# Altium PCB PCB.PcbDoc (part 3 of 3)
Units mm, origin at the board's own origin, x right, y up, seen from the top; angles counter-clockwise.
Board outline 100 x 100 mm, 4 copper layers (Top Layer, GND, Power, Bottom Layer), stack 1.49 mm thick; 258 components, 107 nets, 636 pads, 1174 vias.
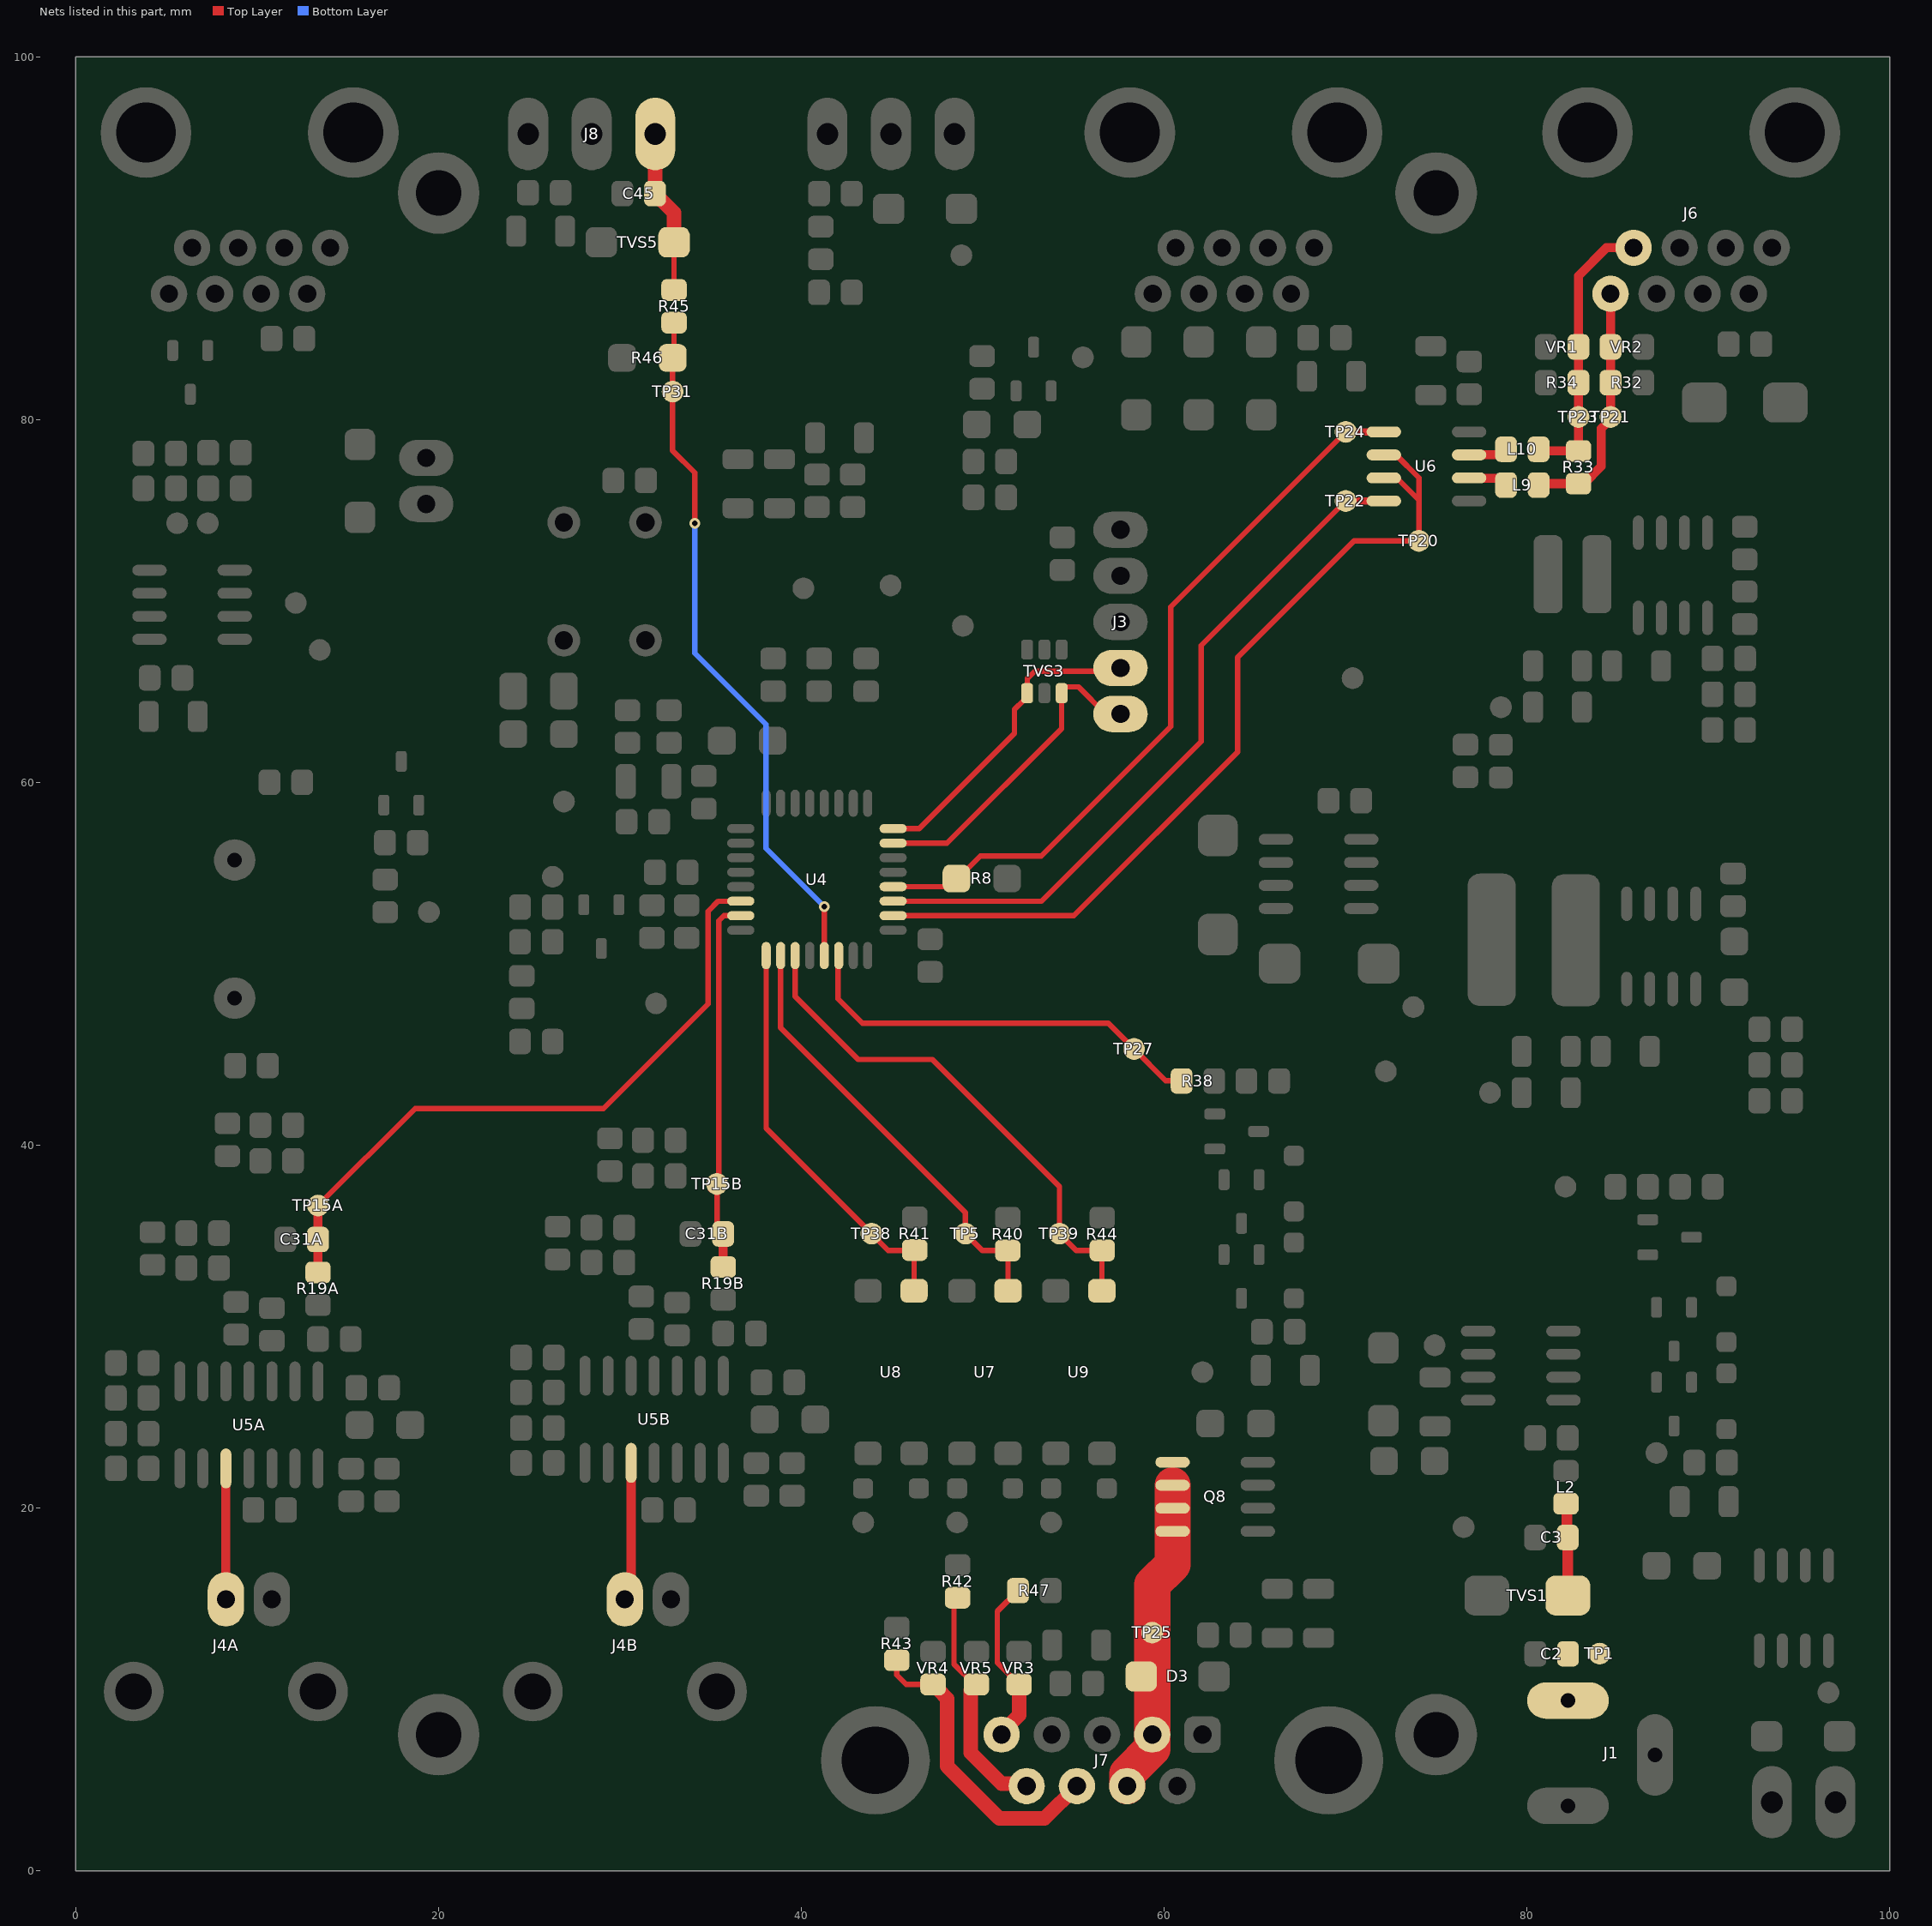
[diagram p5: the nets of this part, all layers, seen from the top]

## Via types
v1: diameter 0.6, hole 0.3, Top Layer to Bottom Layer, tented both sides, 1174 vias

## Nets (pads, with @x,y where several pads share a name; then routed paths per layer and width w, separated by ;. In a path a pad name is that pad's centre, name@x,y a point inside that pad or via, vN(x,y) a via of type N, cw(c..) or ccw(c..) an arc to the next point about the centre after c; other vN are vias at no path point) (continued)
PH_INA: J4A.1 U5A.3 | length 7.2
  Top Layer w0.5: J4A.1@8.267,14.959 8.273,14.965 U5A.3@8.273,22.18
PH_INB: J4B.1 U5B.3 | length 7.2
  Top Layer w0.5: J4B.1@30.608,15.263 30.614,15.269 U5B.3@30.614,22.485
PH_OUT1: C31A.2 R19A.2 TP15A.1 U4.6 | length 36.9
  Top Layer w0.3: TP15A.1@13.353,36.671 18.707,42.024 29.092,42.024 34.861,47.793 34.861,52.904 35.412,53.455 U4.6@36.661,53.455
  Top Layer w0.5: R19A.2@13.353,32.981 13.353,34.801 C31A.2@13.35,34.804 13.35,36.667 TP15A.1@13.353,36.671
PH_OUT2: C31B.2 R19B.2 TP15B.1 U4.7 | length 20.9
  Top Layer w0.3: TP15B.1@35,37.554 TP15B.1@35,37.865 ; C31B.2@35.691,35.109 35.347,35.452 TP15B.1@35.347,37.865 35.447,37.964 35.447,52.372 35.73,52.655 U4.7@36.661,52.655
  Top Layer w0.5: C31B.2@35.691,35.109 35.694,35.105 R19B.2@35.694,33.286
PUMP: R38.1 TP27.1 U4.14 | length 23.5
  Top Layer w0.3: U4.14@42.061,50.455 42.024,50.417 42.024,48.075 43.37,46.729 56.926,46.729 TP27.1@58.344,45.311 ; TP27.1@58.344,45.555 TP27.1@58.344,45.311 ; R38.1@60.965,43.544 60.944,43.564 60.091,43.564 TP27.1@58.344,45.311
PUMP_OUT: D3.1 J7.2 J7.7 Q8.5 Q8.6 Q8.7 Q8.8 TP25.1 | length 17.6
  Top Layer w2: J7.7@57.962,4.668 57.962,5.342 59.347,6.727 J7.2@59.347,7.508 59.348,7.509 59.348,10.712 TP25.1@59.348,13.125 59.348,15.765 60.468,16.885 Q8.8@60.468,18.714 Q8.7@60.468,19.984 Q8.6@60.468,21.254
RS485_D_N: L10.1 U6.7 | length 2.2
  Top Layer w0.5: U6.7@76.816,78.061 76.835,78.081 78.564,78.081 L10.1@78.852,78.368
RS485_D_P: L9.1 U6.6 | length 2.2
  Top Layer w0.5: U6.6@76.816,76.791 76.835,76.772 78.506,76.772 78.852,76.426 L9.1@78.852,76.397
RS485_DIR: TP20.1 U4.18 U6.2 U6.3 | length 49
  Top Layer w0.3: U4.18@45.061,52.655 55.026,52.655 64.052,61.681 64.052,66.905 70.47,73.323 TP20.1@74.051,73.323 74.051,75.559 ; U6.3@72.116,76.791 72.819,76.791 74.051,75.559 ; U6.2@72.116,78.061 72.79,78.061 74.051,76.801 74.051,75.559
RS485_N: J6.7 L10.2 R33.1 R34.2 TP23.1 VR1.1 | length 15.7
  Top Layer w0.5: L10.2@80.652,78.368 80.652,78.296 80.672,78.276 R33.1@82.844,78.276 82.917,78.276 82.848,78.346 TP23.1@82.848,80.156 82.848,80.291 82.844,80.294 R34.2@82.844,82.045 82.844,82.172 82.848,82.175 VR1.1@82.848,84.016 82.848,87.936 84.393,89.481 J6.7@85.886,89.481
RS485_P: J6.8 L9.2 R32.1 R33.2 TP21.1 VR2.1 | length 13.6
  Top Layer w0.5: L9.2@80.652,76.397 80.652,76.47 80.658,76.476 R33.2@82.844,76.476 83.156,76.476 84.107,77.427 84.107,79.513 84.616,80.022 TP21.1@84.616,80.156 R32.1@84.616,82.045 VR2.1@84.616,84.016 J6.8@84.616,86.941
RS485_RX: R8.1 TP24.1 U4.20 U6.1 | length 41.3
  Top Layer w0.3: U4.20@45.061,54.255 48.176,54.255 48.55,54.629 49.87,55.949 53.232,55.949 60.361,63.078 60.361,69.679 TP24.1@70.013,79.331
  Top Layer w0.4: TP24.1@70.013,79.331 U6.1@72.116,79.331
RS485_TX: TP22.1 U4.19 U6.4 | length 39.3
  Top Layer w0.3: U4.19@45.061,53.455 53.242,53.455 62.037,62.25 62.037,67.546 TP22.1@70.013,75.521
  Top Layer w0.4: TP22.1@70.013,75.521 U6.4@72.116,75.521
SOIL_MOIST: R45.1 R46.2 TP31.1 U4.13 | length 38.4
  Top Layer w0.3: R45.1@32.981,85.358 32.981,83.488 R46.2@32.904,83.412 TP31.1@32.904,81.553 32.904,78.3 34.122,77.082 v1(34.122,74.288) ; U4.13@41.261,50.455 v1(41.261,53.154)
  Bottom Layer w0.3: v1(34.122,74.288) 34.122,67.126 38.045,63.204 38.045,56.371 v1(41.261,53.154)
SOIL_MOIST_IN: C45.2 J8.3 R45.2 TVS5.2 | length 9.1
  Top Layer w0.3: R45.2@32.981,87.158 TVS5.2@32.981,89.783
  Top Layer w0.8: J8.3@31.941,95.756 31.941,92.481 C45.2@31.93,92.47 31.93,92.37 32.13,92.17 32.23,92.17 32.981,91.42 TVS5.2@32.981,89.783
SWCLK: J3.4 TVS3.1 U4.24 | length 17.6
  Top Layer w0.3: U4.24@45.061,57.455 46.499,57.455 51.75,62.706 51.75,64.029 52.254,64.534 52.277,64.534 52.451,64.708 TVS3.1@52.451,64.926 52.461,64.936 52.461,65.731 52.868,66.138 57.42,66.138 J3.4@57.597,66.314
SWDIO: J3.5 TVS3.3 U4.23 | length 18
  Top Layer w0.3: U4.23@45.061,56.655 48.033,56.655 54.351,62.973 TVS3.3@54.351,64.926 54.351,65.1 54.525,65.274 55.281,65.274 56.78,63.774 J3.5@57.597,63.774
VIN+: C2.2 C3.2 J1.1 L2.1 TP1.1 TVS1.2 | length 5.1
  Top Layer w0.6: L2.1@82.158,20.241 82.207,20.192 82.207,18.42 C3.2@82.256,18.371 82.263,18.364 TVS1.2@82.263,15.17
W_HL_IN: J7.9 R42.1 VR5.1 | length 13.1
  Top Layer w0.3: R42.1@48.415,15.051 48.415,11.389 49.532,10.272 49.551,10.272 VR5.1@49.651,10.272
  Top Layer w0.8: VR5.1@49.551,10.272 49.351,10.072 49.351,9.972 49.337,9.957 49.337,6.496 51.038,4.795 52.295,4.795 J7.9@52.422,4.668
W_LL_IN: J7.8 R43.1 VR4.1 | length 17
  Top Layer w0.3: R43.1@45.263,11.608 45.263,10.788 45.779,10.272 VR4.1@47.259,10.272
  Top Layer w0.8: VR4.1@47.259,10.272 47.359,10.272 47.559,10.072 47.559,9.972 48.042,9.489 48.042,5.759 50.912,2.889 53.413,2.889 J7.8@55.192,4.668
WATER_FLOW: R44.1 TP39.1 U4.11 U9.3 | length 28.7
  Top Layer w0.3: U4.11@39.661,50.455 39.661,48.206 43.138,44.729 47.219,44.729 54.229,37.719 TP39.1@54.229,35.128 55.154,34.203 R44.1@56.591,34.203 56.574,34.186 U9.3@56.574,31.978
WATER_LEVEL_H: R40.1 TP5.1 U4.10 U7.3 | length 24.5
  Top Layer w0.3: U4.10@38.861,50.455 38.861,46.476 49.049,36.289 TP5.1@49.049,35.128 49.974,34.203 51.411,34.203 R40.1@51.394,34.186 ; R40.1@51.379,34.201 R40.1@51.394,34.186 ; U7.3@51.394,31.978 R40.1@51.394,34.186
WATER_LEVEL_L: R41.1 TP38.1 U4.9 U8.3 | length 22.8
  Top Layer w0.3: U4.9@38.061,50.455 38.061,40.936 TP38.1@43.869,35.128 44.794,34.203 46.231,34.203 46.214,34.186 R41.1@46.214,34.182 ; U8.3@46.214,31.978 R41.1@46.214,34.182 ; R41.1@46.253,34.221 R41.1@46.214,34.182
WF_IN: J7.5 R47.1 VR3.1 | length 9.3
  Top Layer w0.3: R47.1@51.942,15.444 50.801,14.303 50.801,11.474 51.454,10.822 51.454,10.803 51.985,10.272 VR3.1@52.004,10.272
  Top Layer w0.8: J7.5@51.037,7.508 51.037,7.609 52.004,8.576 VR3.1@52.004,10.272
pads on no net: J1.3 J4A.3 J4A.4 J4B.3 J4B.4 J6.MH2 J6.MH3 J7.10 J9.MH2 J9.MH3 J10.MH2 J10.MH3 TVS3.5 TVS3.6 U2.1 U2.6 U2.7 U4.21 U4.22

## Polygon pours and split planes (outlines as drawn)
GND on Bottom Layer "BOTTOM_GND" (solid, remove dead copper, pour order 27): 0,100 100,100 100,0 0,0
GND on Top Layer "TOP_GND" (solid, remove dead copper, pour order 25): 0,100 100,100 100,0 0,0
GND on GND (split plane): 99.49,0.51 0.51,0.51 0.51,99.49 99.49,99.49
GND on Power (split plane): 70.242,58.693 70.247,58.653 70.256,58.632 70.263,58.617 70.287,58.586 73.24,55.633 73.24,44.119 71.368,42.247 64.096,42.247 62.987,43.356 62.956,43.38 62.941,43.387 62.919,43.396 62.88,43.401 59.572,43.401 59.572,44.265 59.572,47.645 67.099,55.172 67.123,55.204 67.138,55.24 67.144,55.279 67.144,59.851 69.233,61.94 70.242,61.94
+3V3_MCU on Power (split plane): 54.113,73.286 54.113,68.808 54.113,59.728 54.113,58.051 54.113,57.045 53.724,56.656 53.7,56.624 53.685,56.588 53.68,56.549 53.68,54.63 50.019,50.97 45.97,50.97 39.378,57.562 39.347,57.586 39.332,57.592 39.31,57.601 39.271,57.606 36.222,57.606 35.715,58.114 35.683,58.138 35.668,58.144 35.647,58.153 35.608,58.158 26.336,58.158 22.082,62.413 22.082,65.539 24.229,67.686 29.351,67.686 29.39,67.691 29.411,67.7 29.426,67.706 29.458,67.731 31.14,69.413 31.865,69.413 31.904,69.418 31.925,69.427 31.94,69.433 31.972,69.457 35.159,72.645 35.183,72.676 35.187,72.687 35.198,72.713 35.203,72.752 35.203,73.26 35.244,73.272 35.331,73.318 35.407,73.381 35.47,73.457 35.516,73.544 35.545,73.638 35.554,73.736 35.545,73.834 35.516,73.928 35.496,73.966 36.124,74.594 52.805,74.594
+12V on Power (split plane): 98.284,85.832 98.284,25.498 93.06,20.275 93.036,20.243 93.021,20.207 93.016,20.168 93.016,17.565 92.425,16.975 92.401,16.943 92.395,16.928 92.386,16.907 92.381,16.868 92.381,11.589 92.386,11.55 92.395,11.528 92.401,11.513 92.425,11.482 93.016,10.891 93.016,7.742 92.15,6.875 90.065,6.875 83.505,13.435 83.474,13.459 83.459,13.465 83.438,13.474 83.398,13.479 70.456,13.479 69.442,14.493 69.442,29.909 73.314,33.781 80.99,33.781 81.029,33.786 81.051,33.795 81.066,33.801 81.097,33.825 86.757,39.485 86.781,39.516 86.796,39.553 86.801,39.592 86.801,43.822 87.018,44.038 88.136,44.038 88.565,43.609 88.596,43.585 88.633,43.57 88.672,43.565 88.9,43.565 88.913,43.524 88.959,43.437 89.022,43.361 89.098,43.298 89.185,43.252 89.279,43.223 89.377,43.214 91.26,43.214 91.278,43.18 91.34,43.104 91.416,43.042 91.503,42.995 91.597,42.967 91.695,42.957 91.793,42.967 91.888,42.995 91.975,43.042 92.051,43.104 92.113,43.18 92.16,43.267 92.188,43.361 92.198,43.459 92.198,45.465 92.188,45.563 92.16,45.657 92.113,45.744 92.051,45.82 92.036,45.832 92.024,45.847 91.948,45.909 91.861,45.956 91.767,45.984 91.669,45.994 90.728,45.994 90.728,49.077 90.723,49.116 90.708,49.153 90.684,49.184 87.537,52.331 87.537,59.29 87.532,59.329 87.523,59.351 87.517,59.366 87.493,59.397 85.927,60.963 85.927,73.79 85.922,73.83 85.907,73.866 85.883,73.897 85.302,74.478 85.302,81.16 85.899,81.757 86.945,81.757 86.984,81.762 87.02,81.777 87.052,81.801 88.121,82.871 88.159,82.851 88.253,82.822 88.351,82.812 89.545,82.812 89.643,82.822 89.737,82.851 89.824,82.897 89.9,82.96 89.963,83.036 90.009,83.123 90.038,83.217 90.048,83.315 90.048,84.515 90.038,84.613 90.009,84.707 89.963,84.794 89.9,84.87 89.847,84.914 89.847,86.941 89.847,89.718 90.675,90.545 93.57,90.545
+5V_PHB on Power (split plane): 42.658,30.066 42.658,23.348 36.633,17.323 31.739,17.323 31.226,17.836 31.226,29.03 32.782,30.585 32.806,30.617 32.821,30.653 32.826,30.692 32.826,32.174 34.258,32.174 34.317,32.179 34.374,32.196 34.426,32.224 34.472,32.262 34.509,32.308 34.537,32.36 34.554,32.416 34.56,32.475 34.554,32.534 34.537,32.59 34.509,32.642 34.472,32.688 34.426,32.726 34.374,32.754 34.317,32.771 34.258,32.776 32.826,32.776 32.826,33.747 32.826,36.013 32.821,36.052 32.806,36.088 32.782,36.12 31.796,37.105 31.796,37.203 32.161,37.568 35.156,37.568
+3V3 on Power (split plane): 312 vertices, not listed, extent 2.016,41.096 77.507,85.98
+5V_PHA on Power (split plane): 20.306,30.639 20.306,24.352 13.395,17.442 9.801,17.442 9.178,18.064 9.178,28.226 11.293,30.341 11.317,30.372 11.323,30.387 11.332,30.409 11.337,30.448 11.337,33.439 11.657,33.759 11.681,33.79 11.696,33.827 11.701,33.866 11.701,35.993 11.696,36.032 11.681,36.069 11.657,36.1 10.671,37.086 10.671,37.99 11.098,38.416 12.529,38.416
GND on Power (split plane): 99.49,0.51 0.51,0.51 0.51,99.49 99.49,99.49
+5V on Power (split plane): 252 vertices, not listed, extent 6.537,13.479 80.545,90.037

## Keep-outs
Keep-Out Layer:
  the board outline again, w0.2

## Other copper
Top Layer:
  region net +12V: 64.504,28.152 63.278,28.152 63.278,26.933 64.504,26.933
  region net GND: 66.013,36.305 63.964,36.305 63.964,35.086 66.013,35.086
  region net GND: 89.857,29.267 87.808,29.267 87.808,28.047 89.857,28.047
  region net +12V: 89.037,19.266 87.812,19.266 87.812,18.046 89.037,18.046
  rectangle net GND: 63.027,18.149 66.052,21.628
  rectangle net GND: 84.811,65.024 85.645,67.405
  rectangle net GND: 82.041,62.572 82.804,67.546
  rectangle net GND: 85.227,67.849 86.545,70.612
  rectangle net GND: 88.198,67.878 89.35,70.841
  rectangle net GND: 70.309,41.935 74.473,45.949
  rectangle net GND: 74.534,17.196 78.207,20.924
  rectangle net GND: 32.254,46.918 32.821,47.422
  rectangle net GND: 31.581,47.193 33.625,48.627
  rectangle net GND: 30.124,46.203 32.557,49.478
  rectangle net GND: 68.383,63.906 72.222,67.64
  region net +12V: 73.619,16.739 69.835,16.739 69.835,14.22 73.619,14.22
  rectangle net GND: 76.464,22.346 79.157,24.45
  region net GND: 69.586,51.658 69.586,57.627 67.477,57.627 67.477,51.658
  region net -5V: 72.439,47.053 72.439,48.279 71.22,48.279 71.22,47.053
  rectangle net GND: 76.591,10.687 79.385,12.769
  region net +12V: 75.092,29.992 75.092,32.429 71.791,32.429 71.791,29.992
  region net +5V: 76.852,44.257 75.445,44.257 75.445,42.32 76.852,42.32
  region net +12V: 87.437,64.96 86.031,64.96 86.031,63.024 87.437,63.024
  region net +3V3: 72.298,81.952 72.298,80.726 73.518,80.726 73.518,81.952
  rectangle net +5V: 67.289,79.996 68.515,81.215
  rectangle net GND: 64.763,77.878 65.988,79.097
  rectangle net GND: 61.313,77.878 62.539,79.097
  rectangle net GND: 57.864,77.878 59.089,79.097
  rectangle net +3V3: 40.405,84.649 41.631,85.868
  region net +3V3: 77.455,65.512 76.048,65.512 76.048,63.575 77.455,63.575
  rectangle net GND: 87.909,63.091 89.291,64.973
  region net GND: 76.227,75.812 76.227,74.288 77.447,74.288 77.447,75.812
  rectangle net GND: 88.002,82.975 89.901,84.855
  region net +12V: 98.089,56.289 96.276,56.289 96.276,53.771 98.089,53.771
  region net +12V: 96.286,56.289 94.311,56.289 94.311,53.771 96.286,53.771
  rectangle net +12V: 90.19,6.664 93.933,8.426
  rectangle net GND: 10.17,82.28 11.396,83.499
  rectangle net +5V: 23.677,87.995 24.903,89.214
  rectangle net GND: 27.841,91.82 29.066,93.039
  rectangle net GND: 42.403,89.875 43.628,91.094
  rectangle net GND: 18.552,58.159 20.229,59.378
  region net GND: 97.47,20.78 93.42,20.78 93.42,15.291 97.47,15.291
  rectangle net +5V: 55.906,13.776 57.132,14.996
  rectangle net PUMP_OUT: 59.472,20.745 61.478,22.853
  rectangle net GND: 51.75,13.116 52.976,14.335
  rectangle net GND: 66.66,10.509 67.885,11.728
  region net GND: 90.952,45.885 88.977,45.885 88.977,43.366 90.952,43.366
  region net +12V: 88.377,43.726 86.97,43.726 86.97,41.79 88.377,41.79
  region net GND: 86.313,41.817 86.313,43.792 83.795,43.792 83.795,41.817
  region net GND: 69.083,17.849 69.083,19.662 64.101,19.662 64.101,17.849
  region net GND: 69.083,19.653 69.083,21.92 63.731,21.92 63.731,19.653
  rectangle net +12V: 90.19,7.102 92.165,9.62
  rectangle net GND: 82.457,62.934 85.42,67.405
  rectangle net GND: 81.305,41.3 85.242,46.543
  pour cut-out: 63.043,25.715 63.049,25.721 65.719,25.721 65.719,23.943 64.407,22.631 62.637,24.402 62.637,24.45
  pour cut-out: 63.456,38.986 67.847,38.986 67.919,38.913 67.919,26.854 67.481,26.416 62.117,26.416 62.117,31.254 63.306,32.442
  pour cut-out: 87.299,31.947 91.865,31.947 91.867,24.621 91.274,24.028 91.032,24.028 87.198,24.028
  pour cut-out: 86.766,15.747 90.322,15.747 90.322,17.883 90.3,17.905 87.097,17.905
  region net +12V: 65.044,32.134 65.984,31.194 65.984,29.39 64.79,29.39 64.79,30.684 64.483,30.991 64.271,30.991 64.271,32.134
  region net NetQ8_4: 64.222,22.537 64.222,23.019 64.592,23.389 64.592,24.468 66.093,24.468 66.101,23.012 66.104,22.511
  region net +12V: 88.888,25.095 89.828,24.155 89.828,22.352 88.634,22.352 88.634,23.645 88.327,23.952 88.114,23.952 88.114,25.095
  pour cut-out: 59.376,86.941 59.376,88.211 60.646,89.481 65.726,89.481 66.996,88.211 66.996,86.941
  region net +5V: 65.726,89.481 68.266,89.481 67.117,88.332
  pour cut-out: 84.616,86.941 85.31,86.941 87.198,88.83 87.198,89.96 86.988,90.17 85.522,90.17
  pour cut-out: 25.349,47.676 25.349,47.11 26.063,46.396 24.536,46.396
  pour cut-out: 25.647,49.962 26.086,50.401 26.086,50.902 24.945,50.902 24.892,50.955 24.714,50.777 24.714,49.911
  pour cut-out: 35.408,48.031 36.398,49.022 36.398,51.74 35.944,51.74 35.616,52.068
  pour cut-out: 43.265,51.351 44.259,52.346 45.398,52.346 46.863,50.881 46.863,48.671 43.702,48.671 43.002,49.371
  pour cut-out: 36.661,57.455 37.41,57.455 38.045,58.09 37.668,58.466 37.668,61.824 35.362,61.824 35.235,61.951 35,61.716 35,58.997
  region net GND: 85.552,50.241 84.709,49.398 84.709,47.381 85.918,47.381 85.918,50.241
  pour cut-out: 78.719,55.285 78.744,55.259 82.042,55.259 82.042,47.343 78.641,47.343 78.511,47.473
  pour cut-out: 83.467,69.023 81.696,69.023 81.153,69.567 81.566,69.98 81.566,73.94 84.137,73.94 84.95,73.127
  pour cut-out: 30.411,57.698 32.023,57.698 32.995,58.669 32.995,61.895 32.702,62.188 32.702,63.988 30.811,63.988 30.367,63.544 30.367,58.928
  pour cut-out: 59.131,7.417 59.222,7.508 62.117,7.508 62.117,14.748 62.126,14.757 62.126,16.131 61.493,16.764 60.655,15.926 60.122,15.926
  pour cut-out: 45.024,64.433 48.755,64.433 48.9,64.287 43.947,59.334 42.373,59.334 42.373,61.373 42.168,61.577
  pour cut-out: 70.956,78.061 70.956,75.867 71.487,75.336 72.466,75.336 73.33,76.2 73.33,77.522 72.79,78.061
  pour cut-out: 79.152,79.278 81.174,79.278 83.21,77.241 81.991,76.022 80.887,76.022 80.352,75.487 79.152,75.487 79.152,76.126 78.506,76.772
  pour cut-out: 85.952,79.712 85.059,79.712 84.616,80.156 84.616,84.016 86.037,84.016 86.309,83.744
  pour cut-out: 88.494,72.653 87.557,72.653 87.37,72.84 87.37,74.676 87.624,74.93 89.002,74.93
  pour cut-out: 90.051,67.43 91.281,67.43 91.719,67.869 91.498,68.091 90.145,68.091
  pour cut-out: 90.533,61.985 91.684,61.985 92.183,62.484 92.037,62.63 92.037,66.588 90.48,66.588 90.233,66.835
  pour cut-out: 86.459,69.088 88.198,69.088 88.198,70.225 88.087,70.336 86.459,70.336
  pour cut-out: 43.704,76.486 43.704,75.169 43.407,74.872 43.099,75.181 39.878,75.181 39.878,76.613
  pour cut-out: 37.533,66.535 37.533,65.108 38.075,64.567 38.093,64.585 38.989,64.585 38.989,64.489 39.661,63.817 39.706,63.861 40.861,63.861 40.861,65.641 40.183,66.319
  pour cut-out: 40.461,62.84 40.461,66.491 40.506,66.535 42.071,66.535 43.053,65.554 43.053,64.536 41.261,62.745
  pour cut-out: 42.291,68.58 44.903,68.58 44.903,67.274 44.816,67.361 42.301,67.361
  pour cut-out: 9.929,70.649 9.929,68.95 9.935,68.944 9.935,67.876 7.569,67.876 7.55,67.894 7.55,70.864 7.516,70.898
  pour cut-out: 9.645,72.269
  pour cut-out: 2.85,71.704 2.85,67.894 2.92,67.825 4.789,67.825 5.229,68.265 5.229,72.117
  pour cut-out: 29.705,29.051 37.167,29.051 38.1,28.118 38.1,22.408 35.961,20.269 31.147,20.269 30.03,21.387 27.706,21.387 26.344,22.749 26.344,28.371
  pour cut-out: 27.858,28.804
  pour cut-out: 27.737,29.153
  pour cut-out: 7.364,28.746 7.454,28.836 15.291,28.836 15.291,25.07 16.891,23.47 16.354,22.933 16.354,20.523 10.752,20.523 9.231,19.002 8.433,19.002 8.433,20.698 8.23,20.901 5.515,20.901 4.064,22.352 4.064,26.391
  pour cut-out: 6.025,62.652 4.478,62.652 4.029,63.1 4.073,63.144 4.073,65.765 5.966,65.765 6.198,65.534
  pour cut-out: 4.493,62.631
  region net GND: 66.106,54.63 66.842,54.63 67.477,55.265 67.681,55.265 67.681,53.487 67.655,53.461 67.427,53.461 66.868,54.02 66.106,54.02
  region net +12V: 92.085,8.934 92.617,8.402 92.617,7.969 92.119,7.969 92.018,8.07
  region net GND: 86.472,67.43 85.126,66.084 82.459,66.084 82.459,67.676 83.66,68.878 84.643,68.878 85.811,70.046 86.472,70.046
  region net +12V: 87.859,65.382 87.362,64.886 86.047,64.886 86.047,66.283 87.139,67.375 87.859,67.372
  region net GND: 89.444,89.909 89.444,88.614 90.688,87.369 90.688,86.506 90.079,85.896 86.777,85.896 86.142,86.531 86.142,87.725 87.386,88.969 87.386,89.909 87.996,90.519 88.834,90.519
  region net GND: 87.744,48.685 87.744,46.543 89.377,44.91 90.788,44.91 90.788,45.588 88.351,48.025 88.351,48.685
  region net +12V: 86.223,44.473 87.066,43.63 88.377,43.63 88.377,45.027 87.285,46.12 86.223,46.115
  region net +12V: 87.131,69.132 87.131,68.37 86.851,68.091 86.851,66.719 87.143,66.427 87.859,66.427 87.858,68.227 87.715,68.37 87.715,69.132
  region net +3V3: 80.374,71.824 80.374,69.64 79.561,68.827 79.561,63.62 79.892,63.29 80.73,63.29 80.882,63.442 80.882,67.075 81.949,68.141 81.949,71.824
  region net NetL3_1: 83.067,73.907 83.88,74.72 86.267,74.72 86.445,74.542 86.445,72.993 84.667,71.215 84.667,70.3 83.067,70.3
  region net GND: 85.207,48.654 85.207,48.27 83.097,46.16 81.855,46.16 81.855,45.149 81.88,45.174 84.775,45.174 85.816,46.215 85.816,48.654
  region net +12V: 72.767,26.638 77.912,26.638 78.268,26.993 78.268,29.889 78.014,30.143 71.816,30.143 71.257,29.584 71.257,28.147
  region net +12V: 86.477,48.603 86.477,47.79 86.223,47.537 86.223,45.149 87.34,45.149 87.34,47.511 87.086,47.765 87.086,48.603
  region net +5V: 76.723,51.325 76.723,46.927 79.161,44.488 79.161,42.895 79.717,42.895 79.75,42.863 80.255,42.863 80.255,46.417 79.39,47.282 79.39,51.321
  region net NetL1_1: 85.816,54.166 85.029,54.953 82.26,54.953 82.26,47.663 83.313,47.663 84.025,48.374 84.025,49.478 85.816,51.27
  region net FAN12_OUT: 95.87,7.418 95.87,8.477 94.27,10.077 93.279,10.077 92.517,10.839 92.517,12.922 92.695,13.1 96.789,13.1 97.394,12.494 97.394,7.418
  region net NetC4_2: 81.652,21.507 81.652,25.235 81.062,25.825 81.062,29.888 81.24,30.067 82.789,30.067 82.967,29.889 82.967,21.736 82.738,21.507
  region net VIN+: 81.036,15.208 81.036,16.923 81.658,17.545 81.646,17.557 81.646,19.5 81.443,19.704 81.443,20.241 82.861,20.241 83.5,19.602 83.5,15.208
  region net VIN+: 81.036,15.208 81.036,13.938 81.671,13.303 81.671,11.449 80.02,9.798 80.02,8.959 80.604,8.375 83.932,8.375 84.643,9.086 84.643,14.065 83.5,15.208
Bottom Layer:
  rectangle net +12V: 63.221,26.848 64.567,28.219
  rectangle net +12V: 87.754,17.961 89.1,19.333
  region net +12V: 73.619,16.739 69.835,16.739 69.835,14.22 73.619,14.22
  rectangle net GND: 75.946,22.225 79.157,24.45
  region net -5V: 72.439,47.053 72.439,48.279 71.22,48.279 71.22,47.053
  rectangle net GND: 76.591,10.687 79.385,12.769
  region net +12V: 75.061,30.454 75.061,32.429 71.892,32.429 71.892,30.454
  region net +5V: 76.852,44.257 75.445,44.257 75.445,42.32 76.852,42.32
  region net +12V: 87.437,64.96 86.031,64.96 86.031,63.024 87.437,63.024
  region net +3V3: 72.298,81.952 72.298,80.726 73.518,80.726 73.518,81.952
  rectangle net +5V: 67.289,79.996 68.515,81.215
  rectangle net GND: 64.763,77.878 65.988,79.097
  rectangle net GND: 61.313,77.878 62.539,79.097
  rectangle net GND: 57.864,77.878 59.089,79.097
  rectangle net +3V3: 40.405,84.649 41.631,85.868
  region net +3V3: 77.455,65.512 76.048,65.512 76.048,63.575 77.455,63.575
  rectangle net GND: 87.884,63.091 89.291,65.027
  rectangle net GND: 88.002,82.975 89.901,84.855
  region net +12V: 98.089,56.289 96.276,56.289 96.276,53.771 98.089,53.771
  region net +12V: 96.286,56.289 94.311,56.289 94.311,53.771 96.286,53.771
  rectangle net GND: 10.17,82.28 11.396,83.499
  rectangle net +5V: 23.677,87.995 24.903,89.214
  rectangle net GND: 27.841,91.82 29.066,93.039
  rectangle net GND: 42.403,89.875 43.628,91.094
  region net GND: 97.47,20.78 93.7,20.78 93.7,18.261 97.47,18.261
  rectangle net +5V: 55.906,13.776 57.132,14.996
  rectangle net GND: 51.75,13.116 52.976,14.335
  rectangle net GND: 63.79,10.5 65.015,11.719
  rectangle net GND: 66.66,10.509 67.885,11.728
  region net GND: 90.952,45.885 88.977,45.885 88.977,43.366 90.952,43.366
  region net +12V: 88.377,43.726 86.97,43.726 86.97,41.79 88.377,41.79
  region net GND: 86.313,41.817 86.313,43.792 83.795,43.792 83.795,41.817
  region net GND: 69.083,17.849 69.083,19.662 66.564,19.662 66.564,17.849
  region net GND: 69.083,19.653 69.083,21.628 66.564,21.628 66.564,19.653
  rectangle net +12V: 90.19,7.102 92.165,9.62
  pour cut-out: 51.037,8.819 51.069,8.787 62.826,8.787 62.826,5.156 61.027,3.356 52.422,3.356 49.726,6.053 49.726,7.508
  pour cut-out: 51.037,8.819
  pour cut-out: 60.159,89.481 68.275,89.481 69.541,89.103 68.072,86.201 59.497,86.821 58.547,87.77 58.115,87.289 59.497,90.112
  region net -5V: 26.045,38.576 26.045,38.373 26.579,37.839 26.604,37.865 26.731,37.865 27.214,38.347
GND (plane layer: these items are gaps in the copper):
  region: 88.243,4.021 88.243,8.618 85.867,8.618 85.867,4.021
  rectangle: 79.908,8.204 84.506,10.58
  rectangle: 70.235,14.57 73.248,16.364
  rectangle: 94.711,54.121 97.724,55.914
  rectangle: 86.919,41.562 88.443,43.889
  rectangle: 75.362,42.088 77.038,44.45
  region: 75.153,32.511 71.816,32.511 71.816,30.327 75.153,30.327
  region: 92.247,7.01 92.247,9.804 90.063,9.804 90.063,7.01
  lines w1: 4.212,61.671 4.212,62.271 ; 5.747,36.388 6.498,36.388 ; 7.124,40.811 7.124,41.562 ; 7.677,43.992 7.677,44.791 ; 9.788,18.073 9.788,18.673 ; 11.569,37.903 12.32,37.903 ; 19.792,24.199 19.792,25.038 ; 23.385,45.32 23.385,46.119 ; 23.992,88.309 23.992,88.909 24.592,88.909 24.592,88.309 24.001,88.309 ; 26.239,36.715 26.99,36.715 ; 28.217,39.982 28.217,40.733 ; 31.782,18.067 31.782,18.667 ; 32.662,37.075 33.413,37.075 ; 35.903,58.855 36.503,58.855 ; 36.046,74.072 37.012,74.072 ; 42.07,24.468 42.07,25.266 ; 44.506,78.537 44.506,79.478 ; 45.853,37.126 46.652,37.126 ; 48.273,51.377 48.873,51.377 ; 50.979,37.107 51.778,37.107 ; 52.417,73.515 53.017,73.515 ; 56.191,37.108 56.99,37.108 ; 57.81,43.042 57.81,43.84 ; 70.869,60.118 70.869,60.718 ; 86.416,80.176 86.416,80.776 ; 88.047,54.687 88.047,55.287 ; 88.689,75.149 88.689,75.749 ; 40.72,84.963 40.72,85.563 41.32,85.563 41.32,84.963 40.72,84.963 ; 56.22,14.09 56.82,14.09 56.82,14.69 56.22,14.69 56.22,14.09 ; 63.59,27.238 64.19,27.238 64.19,27.838 63.59,27.838 63.59,27.238 ; 67.604,80.31 67.604,80.91 68.204,80.91 68.204,80.31 67.604,80.31 ; 70.235,14.57 70.235,16.364 73.248,16.364 73.248,14.57 70.235,14.57 ; 71.526,47.368 71.526,47.968 72.126,47.968 72.126,47.368 71.526,47.368 ; 72.612,81.037 73.212,81.037 73.212,81.637 72.612,81.637 72.612,81.037 ; 76.448,63.95 76.448,65.144 77.048,65.144 77.048,63.95 76.448,63.95 ; 86.431,63.392 86.431,64.585 87.031,64.585 87.031,63.392 86.431,63.392 ; 88.123,18.352 88.123,18.952 88.723,18.952 88.723,18.352 88.123,18.352 ; 94.711,54.121 94.711,55.914 97.724,55.914 97.724,54.121 94.711,54.121
Power (plane layer: these items are gaps in the copper):
  rectangle: 63.119,26.746 64.692,28.321
  rectangle: 88.443,27.892 90.002,29.439
  rectangle: 33.553,60.909 36.246,64.821
  rectangle: 28.245,46.787 29.793,48.946
  rectangle: 36.144,48.057 37.897,49.886
  rectangle: 75.819,22.123 79.197,24.435
  lines w0.3: 7.503,43.021 7.122,43.402 7.122,45.231 7.764,45.872 9.068,45.872 11.389,48.194 11.389,53.095 7.696,56.788 7.696,57.429 5.934,59.191 3.261,61.864 3.261,73.78 1.864,75.177 1.864,77.346 4.205,79.687 6.309,79.687 9.217,82.594 11.085,82.594 ; 11.085,83.194 13.253,85.363 14.285,85.363 15.022,84.626 15.022,83.635 10.383,78.997 10.383,78.181 10.383,77.149 10.932,76.6 10.932,71.729 10.548,71.345 10.548,69.35 10.973,68.925 10.973,63.631 10.973,60.786 23.296,48.463 29.328,48.463 29.876,49.01 31.989,49.01 32.349,49.371 50.734,49.371 57.597,56.234 57.597,73.934 54.851,76.681 53.773,76.681 52.03,78.424 45.64,78.424 45.314,78.098 43.775,78.098 43.139,78.733 43.139,81.146 39.863,84.423 39.863,85.324 40.671,86.131 42.367,86.131 44.076,84.423 50.757,84.423 53.214,81.966 55.004,81.966 59.081,77.889 61.259,75.711 68.054,75.711 71.756,79.413 71.756,82.423 ; 58.513,42.342 59.421,43.249 ; 70.394,62.096 70.394,58.693 73.391,55.695 73.391,44.056 71.431,42.096 64.033,42.096 62.88,43.249 59.421,43.249 ; 59.421,43.249 57.116,40.945 55.738,40.945 55.002,41.681 52.807,41.681 38.811,41.681 38.338,42.154 36.803,42.154 36.635,41.986 32.639,41.986 30.476,41.986 30,42.462 28.379,42.462 27.864,42.977 14.061,42.977 13.934,43.104 8.704,43.104 7.586,43.104 6.944,42.462 6.386,41.903 6.386,40.354 6.792,39.947 26.807,39.947 28.056,38.699 46.674,38.699 51.852,38.699 54.239,36.312 58.557,31.994 58.557,21.278 55.458,18.18 55.458,13.785 55.916,13.328 57.059,13.328 57.541,13.811 57.541,17.57 60.589,20.618 60.589,32.193 67.614,39.218 74.363,39.218 77.453,42.308 77.453,44.028 78.181,44.756 78.181,56.967 80.338,59.124 80.338,62.828 80.696,63.186 80.696,70.594 80.696,74.298 76.784,78.21 76.784,84.43 76.054,85.16 74.719,85.16 72.891,86.988 69.273,86.988 67.035,84.751 61.567,84.751 56.452,89.865 52.998,89.865 52.675,90.189 46.07,90.189 42.717,90.189 38.022,90.189 37.616,89.783 29.038,89.783 28.632,90.189 23.937,90.189 23.099,89.35 23.099,88.207 23.454,87.852 25.533,87.852 26.034,87.351 39.7,87.351 40.742,88.392 42.93,88.392 43.902,87.42 54.998,87.42 60.484,81.934 63.1,81.934 65.151,79.883 68.301,79.883 69.41,80.992 69.41,82.423 71.756,82.423 ; 59.421,43.249 59.421,44.265 59.421,47.708 66.992,55.279 66.992,59.914 69.17,62.092 76.587,62.092 77.658,63.163 77.658,65.576 77.658,74.065 77.116,74.607 76.532,74.607 74.153,76.986 74.153,81.334 73.064,82.423 71.756,82.423 ; 89.545,84.515 88.351,83.321 88.351,83.315 86.945,81.908 85.837,81.908 85.151,81.222 85.151,74.415 85.776,73.79 85.776,60.9 87.386,59.29 87.386,52.268 90.577,49.077 90.577,45.51 90.577,43.716 88.672,43.716 88.198,44.19 86.955,44.19 86.65,43.884 86.65,39.592 80.99,33.932 73.252,33.932 69.291,29.972 69.291,14.431 70.394,13.328 83.398,13.328 90.002,6.724 92.212,6.724 93.167,7.679 93.167,10.954 92.532,11.589 92.532,16.868 93.167,17.503 93.167,20.168 98.435,25.436 98.435,85.894 93.633,90.697 90.612,90.697 89.696,89.781 89.696,86.941 89.696,84.666 ; 89.545,84.515 89.696,84.666 ; 89.545,84.515 89.696,84.666 ; 9.027,18.002 9.027,28.289 11.186,30.448 11.186,33.502 11.55,33.866 11.55,35.993 10.52,37.023 10.52,38.052 11.035,38.568 12.253,38.568 12.591,38.568 20.457,30.702 20.457,24.29 13.458,17.291 9.738,17.291 9.027,18.002 ; 21.93,62.35 26.274,58.007 30.489,58.007 35.608,58.007 36.16,57.455 39.271,57.455 45.907,50.819 49.235,50.819 50.082,50.819 53.831,54.568 53.831,56.549 54.265,56.982 54.265,58.051 54.265,59.728 54.265,68.808 54.265,73.348 52.868,74.745 36.061,74.745 35.052,73.736 35.052,72.752 31.865,69.564 31.078,69.564 29.351,67.837 24.166,67.837 21.93,65.601 21.93,62.35 ; 31.074,17.773 31.676,17.172 36.696,17.172 42.809,23.285 42.809,30.129 35.219,37.719 32.098,37.719 31.644,37.265 31.644,37.043 32.675,36.013 32.675,33.747 32.675,30.692 31.074,29.092 31.074,17.773
  lines w0.6: 32.689,32.475 34.258,32.475
  lines w1: 8.019,63.194 8.019,64.135 ; 10.364,71.697 10.964,71.697 ; 26.239,36.715 26.99,36.715 ; 26.663,89.007 27.264,89.007 ; 34.046,64.099 34.224,63.921 34.224,61.537 ; 34.122,74.288 34.674,73.736 35.052,73.736 ; 35.469,63.648 35.469,64.248 ; 45.844,37.135 46.652,37.135 ; 48.298,49.549 48.898,49.549 ; 50.279,70.778 50.279,72.081 50.796,72.598 ; 50.97,37.107 51.778,37.107 ; 52.417,70.841 52.417,71.715 53.017,71.715 53.162,71.86 53.162,72.581 ; 52.944,63.394 53.401,63.852 ; 56.182,37.108 56.99,37.108 ; 61.204,39.794 61.804,39.794 ; 76.532,74.607 77.116,74.607 ; 77.704,18.942 78.248,18.398 78.736,18.398 79.336,18.398 ; 80.429,22.143 80.429,22.743 ; 87.419,75.149 87.419,75.749 ; 89.377,43.716 90.577,43.716 ; 90.577,45.51 90.577,43.716 ; 90.596,45.491 91.669,45.491 ; 91.132,44.271 91.132,45.491 ; 91.439,43.716 90.577,43.716 ; 91.695,43.459 91.695,45.465 ; 92.033,61.309 92.43,61.309 92.862,61.741 ; 92.82,48.444 93.42,48.444 ; 94.62,40.831 94.62,40.127 94.869,39.878 ; 10.485,82.594 11.085,82.594 11.085,83.194 10.485,83.194 10.485,82.594 ; 36.695,49.157 37.262,48.59 37.262,48.804 36.695,49.371 36.695,49.157 ; 57.302,78.435 57.821,78.435 58.178,78.792 58.778,78.192 57.545,78.192 57.302,78.435 ; 63.93,54.894 63.956,54.868 63.956,53.873 64.413,54.331 64.63,54.331 64.066,54.894 63.93,54.894 ; 71.526,47.368 71.526,47.968 72.126,47.968 72.126,47.368 71.526,47.368 ; 88.29,63.458 88.29,65.142 88.458,65.31 88.458,66.824 88.961,67.327 88.961,63.529 88.89,63.458 88.29,63.458 ; 88.351,83.315 89.545,84.509 89.545,84.515 89.545,83.315 88.351,83.315

## Silkscreen, mask and mechanical layers (free items; w line width, h text height)
Top Overlay:
  circle w0.3: c55.194,75.021 r0.126
  circle w0.3: c52.721,22.148 r0.126
  circle w0.3: c47.541,22.148 r0.126
  circle w0.3: c42.361,22.148 r0.126
  lines w0.2: 10.465,35.712 10.465,32.419 10.82,32.063 ; 33.821,37.287 34.393,36.715 36.503,36.715 ; 55.56,80.932 55.56,82.438 ; 60.332,58.666 61.334,58.666 ; 60.833,58.165 60.833,59.167 ; 64.05,48.312 65.053,48.312 ; 64.552,47.811 64.552,48.814 ; 85.537,80.264 86.328,80.264 86.915,79.677
  text "SOIL" at 36.525,93.737 h1.52 r90
  text "OWIRE" at 53.188,92.232 h1.52 r90
  text "OWIRE" at 49.987,87.807 h0.81
  text "RPI" at 99.136,85.766 h1.52 r90
  text "HV" at 73.854,85.561 h1.52 r90
  text "MOD" at 75.935,85.528 h1.52 r90
  text "I2C" at 19.822,85.471 h1.52 r90
  text "GND" at 17.729,80.12 h1.52
  text "SOIL_M" at 29.108,79.654 h0.81
  text "AC0" at 53.924,78.384 h0.81
  text "485_P" at 88.367,76.455 h0.81 r90
  text "RX" at 67.767,76.251 h0.81
  text "SWD:" at 58.42,75.921 h1.52
  text "485_N" at 85.914,75.181 h0.81 r90
  text "+3.3V" at 60.378,73.151 h1.52
  text "I2C_N" at 8.748,72.994 h0.81
  text "I2C_P" at 1.02,72.861 h0.81
  text "TX" at 68.301,72.568 h0.81
  text "DEBUG" at 18.044,71.831 h1.52
  text "GND" at 60.378,70.484 h1.52
  text "DIR" at 72.807,70.104 h0.81
  text "SCL" at 13.691,69.393 h0.81
  text "VMCU" at 41.422,69.122 h0.81
  text "RST" at 60.378,67.944 h1.52
  text "RESET" at 34.892,67.412 h1.52 r90
  text "LAMP" at 47.488,66.726 h0.81
  text "SDA" at 15.062,65.925 h0.81
  text "SWDCLK" at 60.378,65.429 h1.52
  text "GND" at 71.546,63.983 h0.81
  text "3V3" at 75.362,63.779 h0.81
  text "FAN_230V" at 46.025,63.551 h0.81 r90
  text "SWDIO" at 60.378,62.864 h1.52
  text "K" at 79.881,59.588 h0.6
  text "RST" at 23.232,57.723 h0.81
  text "2V5" at 22.797,54.801 h0.81
  text "BUZ" at 19.103,49.83 h0.81
  text "GND" at 31.238,44.824 h0.81
  text "-5V" at 73.02,44.472 h0.81
  text "PUMP_IN" at 54.382,43.663 h0.81
  text "+5V" at 74.887,41.199 h0.81
  text "WFL" at 51.058,40.919 h0.81
  text "GND" at 70.911,40.794 h0.81
  text "LL" at 43.282,39.548 h0.81
  text "HL" at 48.463,39.218 h0.81
  text "W_PH" at 36.434,38.087 h0.81
  text "S_PH" at 14.765,36.335 h0.81
  text "FAN12_IN" at 78.099,35.916 h0.81
  text "+12V" at 75.43,29.997 h0.81 r90
  text "GATE1" at 58.194,25.759 h0.81
  text "GATE2" at 83.566,20.78 h0.81
  text "HL5V" at 49.733,17.628 h0.81
  text "WFL5V" at 54.788,17.551 h0.81
  text "GND" at 73.492,17.297 h0.81
  text "LL5V" at 42.799,16.18 h0.81
  text "PUMP_OUT" at 57.963,15.519 h0.81
  text "PH" at 39.991,14.427 h1.52 r90
  text "PH" at 18.126,13.76 h1.52 r90
  text "VIN" at 85.242,11.481 h0.81
  text "SOIL" at 20.285,10.967 h1.52 r90
  text "WATER" at 42.15,9.857 h1.52 r90
  text "FAN12_OUT" at 88.671,9.423 h0.81
  text "12V" at 76.886,0.914 h1.52 r90
  text "FAN12" at 90.373,0.813 h1.52 r90
Bottom Overlay:
  text "DAMIAN DOLEWSKI" at 94.499,81.82 h2 r90
  text "BOXER_3.0" at 97.485,81.788 h2 r90
Dimensions:
Top Assembly:
Top Courtyyard:
  text "PANEL: 134.5mm" at 65.149,-21.981 h3

## Dimensions
0,0 to 100,0 on Dimensions

## Text inside footprints (layer, text, board x,y; h text height)
BUZ1: Top Overlay "+" at 11.704,47.574 h1.5 r90